# KiCad board CPU.kicad_pcb
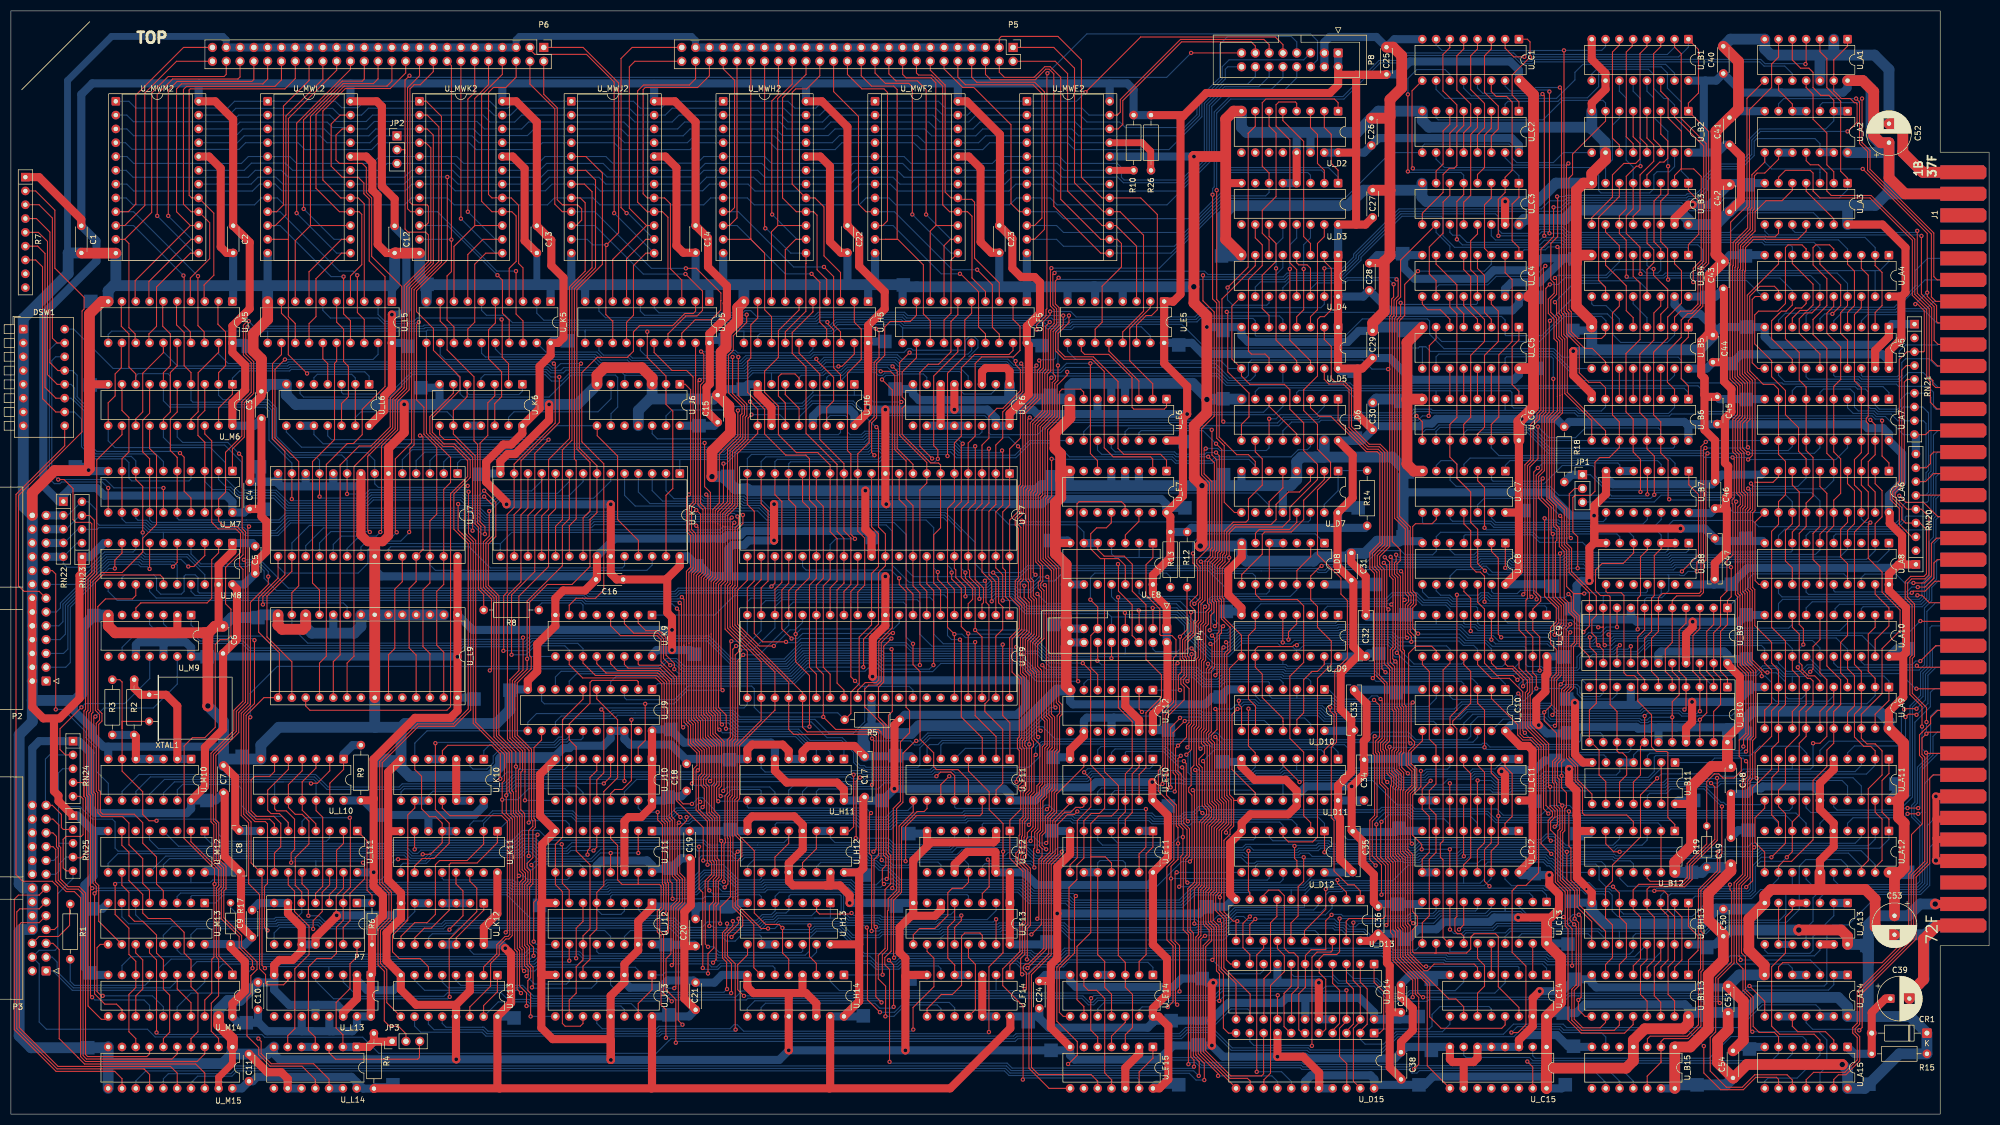
[diagram p0: board, top side]
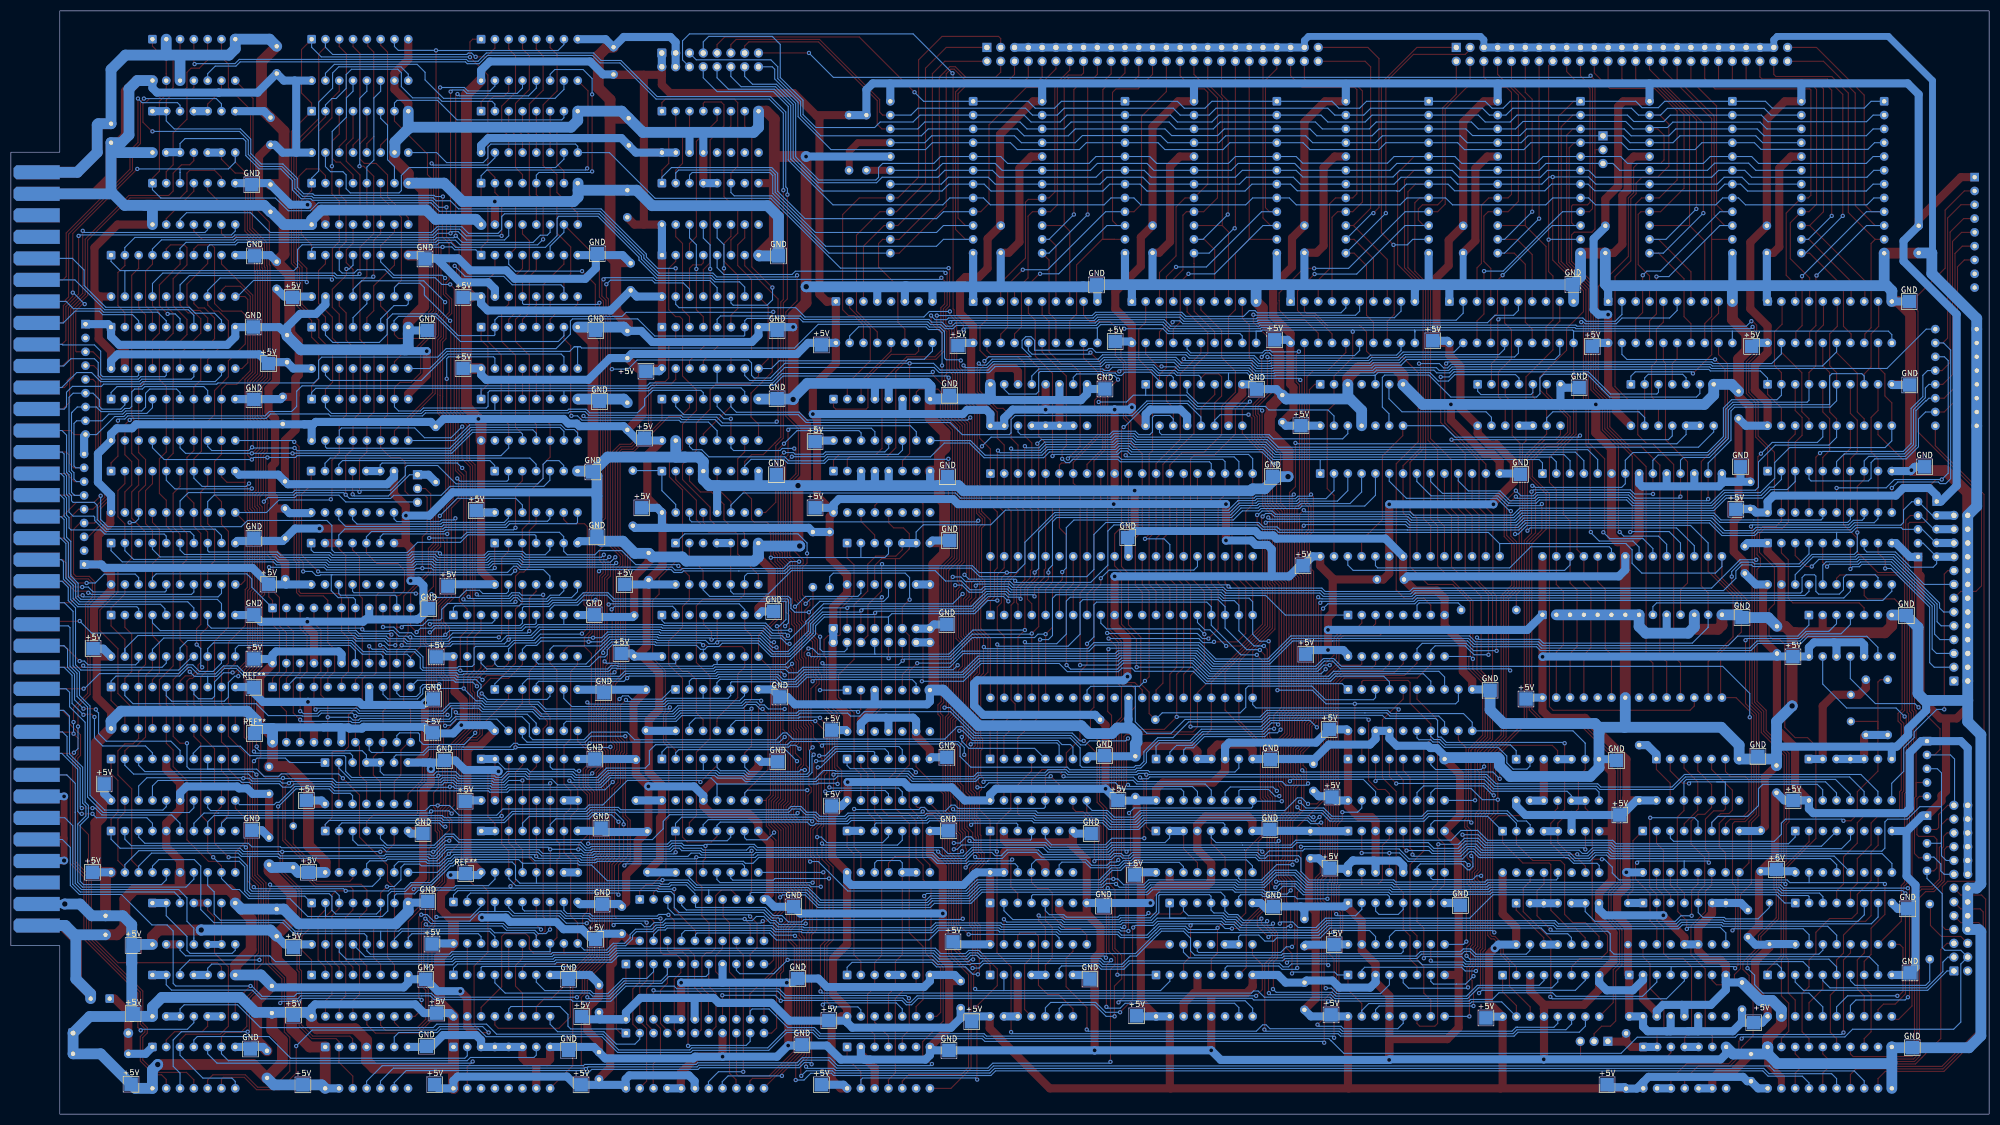
[diagram p1: board, bottom side, seen from below]

Outline 364 x 203 mm; copper layers: Top, In1.Cu (plane), In2.Cu (plane), Bottom. Coordinates in mm from the lower left corner of the outline.
Outline path: 355,177 364,177 364,31 355,31 355,0 0,0 0,203 355,203 closed
Stack: Top 0.035mm / dielectric 0.54mm FR4 er 4.5 / In1.Cu 0.035mm / dielectric 0.54mm FR4 er 4.5 / In2.Cu 0.035mm / dielectric 0.54mm FR4 er 4.5 / Bottom 0.035mm

## Placement (name value [footprint] x y rotation side)
+5V  -  [TestPoint_Pad_2.5x2.5mm]  309.25 44.5 180 bottom
+5V#2  -  [TestPoint_Pad_2.5x2.5mm]  256.42 32.18 180 bottom
+5V#3  -  [TestPoint_Pad_2.5x2.5mm]  258.96 17.96 180 bottom
+5V#4  -  [TestPoint_Pad_2.5x2.5mm]  156.85 18.09 180 bottom
+5V#5  -  [TestPoint_Pad_2.5x2.5mm]  259.08 5.38 180 bottom
+5V#6  -  [TestPoint_Pad_2.5x2.5mm]  283.59 97.16 180 bottom
+5V#7  -  [TestPoint_Pad_2.5x2.5mm]  278.39 111.05 180 bottom
+5V#8  -  [TestPoint_Pad_2.5x2.5mm]  214.89 141.53 180 bottom
+5V#9  -  [TestPoint_Pad_2.5x2.5mm]  312.04 18.21 180 bottom
+5V#10  -  [TestPoint_Pad_2.5x2.5mm]  341.89 5.51 180 bottom
+5V#11  -  [TestPoint_Pad_2.5x2.5mm]  247.91 111.56 180 bottom
+5V#12  -  [TestPoint_Pad_2.5x2.5mm]  36.07 57.71 180 bottom
+5V#13  -  [TestPoint_Pad_2.5x2.5mm]  349 44.5 180 bottom
+5V#14  -  [TestPoint_Pad_2.5x2.5mm]  348.87 85.65 180 bottom
+5V#15  -  [TestPoint_Pad_2.5x2.5mm]  43.31 16.81 180 bottom
+5V#16  -  [TestPoint_Pad_2.5x2.5mm]  285.75 84.12 180 bottom
+5V#17  -  [TestPoint_Pad_2.5x2.5mm]  251.08 97.46 180 bottom
+5V#18  -  [TestPoint_Pad_2.5x2.5mm]  73.03 141.28 180 bottom
+5V#19  -  [TestPoint_Pad_2.5x2.5mm]  212.98 56.69 180 bottom
+5V#20  -  [TestPoint_Pad_2.5x2.5mm]  309.63 57.71 180 bottom
+5V#21  -  [TestPoint_Pad_2.5x2.5mm]  213.49 17.2 180 bottom
+5V#22  -  [TestPoint_Pad_2.5x2.5mm]  190.65 31.7 180 bottom
+5V#23  -  [TestPoint_Pad_2.5x2.5mm]  85.22 76.38 180 bottom
+5V#24  -  [TestPoint_Pad_2.5x2.5mm]  160.81 142.16 180 bottom
+5V#25  -  [TestPoint_Pad_2.5x2.5mm]  214.89 5.41 180 bottom
+5V#26  -  [TestPoint_Pad_2.5x2.5mm]  286.01 5.41 180 bottom
+5V#27  -  [TestPoint_Pad_2.5x2.5mm]  67.95 55.04 180 bottom
+5V#28  -  [TestPoint_Pad_2.5x2.5mm]  92.59 17.7 180 bottom
+5V#29  -  [TestPoint_Pad_2.5x2.5mm]  310.26 5.38 180 bottom
+5V#30  -  [TestPoint_Pad_2.5x2.5mm]  312.04 30.66 180 bottom
+5V#31  -  [TestPoint_Pad_2.5x2.5mm]  160.3 57.71 180 bottom
+5V#32  -  [TestPoint_Pad_2.5x2.5mm]  70.3 5.4 180 bottom
+5V#33  -  [TestPoint_Pad_2.5x2.5mm]  247.4 124.38 180 bottom
+5V#34  -  [TestPoint_Pad_2.5x2.5mm]  36.1 84.15 180 bottom
+5V#35  -  [TestPoint_Pad_2.5x2.5mm]  43.69 141.28 180 bottom
+5V#36  -  [TestPoint_Pad_2.5x2.5mm]  125.73 84.63 180 bottom
+5V#37  -  [TestPoint_Pad_2.5x2.5mm]  121.29 45.26 180 bottom
+5V#38  -  [TestPoint_Pad_2.5x2.5mm]  341.51 31.04 180 bottom
+5V#39  -  [TestPoint_Pad_2.5x2.5mm]  251.72 84.76 180 bottom
+5V#40  -  [TestPoint_Pad_2.5x2.5mm]  319.28 83.74 180 bottom
+5V#41  -  [TestPoint_Pad_2.5x2.5mm]  120.91 58.34 180 bottom
+5V#42  -  [TestPoint_Pad_2.5x2.5mm]  121.41 70.79 180 bottom
+5V#43  -  [TestPoint_Pad_2.5x2.5mm]  280.42 57.58 180 bottom
+5V#44  -  [TestPoint_Pad_2.5x2.5mm]  131.45 142.47 180 bottom
+5V#45  -  [TestPoint_Pad_2.5x2.5mm]  102.36 142.29 180 bottom
+5V#46  -  [TestPoint_Pad_2.5x2.5mm]  247.14 136.7 180 bottom
+5V#47  -  [TestPoint_Pad_2.5x2.5mm]  346.84 60.76 180 bottom
+5V#48  -  [TestPoint_Pad_2.5x2.5mm]  280.8 137.21 180 bottom
+5V#49  -  [TestPoint_Pad_2.5x2.5mm]  316.61 138.1 180 bottom
+5V#50  -  [TestPoint_Pad_2.5x2.5mm]  286.4 70.15 180 bottom
+5V#51  -  [TestPoint_Pad_2.5x2.5mm]  157.23 43.99 180 bottom
+5V#52  -  [TestPoint_Pad_2.5x2.5mm]  39.12 45.01 180 bottom
+5V#53  -  [TestPoint_Pad_2.5x2.5mm]  316.56 97.51 180 bottom
+5V#54  -  [TestPoint_Pad_2.5x2.5mm]  121.08 18.26 180 bottom
+5V#55  -  [TestPoint_Pad_2.5x2.5mm]  46.6 111.3 180 bottom
+5V#56  -  [TestPoint_Pad_2.5x2.5mm]  216.03 111.56 180 bottom
+5V#57  -  [TestPoint_Pad_2.5x2.5mm]  126.24 100.89 180 bottom
+5V#58  -  [TestPoint_Pad_2.5x2.5mm]  285.63 18.59 180 bottom
+5V#59  -  [TestPoint_Pad_2.5x2.5mm]  280.8 150.29 180 bottom
+5V#60  -  [TestPoint_Pad_2.5x2.5mm]  126.62 126.67 180 bottom
+5V#61  -  [TestPoint_Pad_2.5x2.5mm]  216.03 123.75 180 bottom
+5V#62  -  [TestPoint_Pad_2.5x2.5mm]  212.98 70.66 180 bottom
+5V#63  -  [TestPoint_Pad_2.5x2.5mm]  187.2 17 180 bottom
+5V#64  -  [TestPoint_Pad_2.5x2.5mm]  286.51 31.29 180 bottom
+5V#65  -  [TestPoint_Pad_2.5x2.5mm]  341.51 18.47 180 bottom
+5V#66  -  [TestPoint_Pad_2.5x2.5mm]  312.17 150.29 180 bottom
+5V#67  -  [TestPoint_Pad_2.5x2.5mm]  120.53 31.17 180 bottom
+5V#68  -  [TestPoint_Pad_2.5x2.5mm]  189.74 141.4 180 bottom
C1  100nF  [C_Disc_D4.3mm_W1.9mm_P5.00mm]  12.96 163.46 270 top
C2  100nF  [C_Disc_D4.3mm_W1.9mm_P5.00mm]  40.9 163.46 270 top
C3  100nF  [C_Disc_D4.3mm_W1.9mm_P5.00mm]  46.1 127.99 90 top
C4  100nF  [C_Disc_D4.3mm_W1.9mm_P5.00mm]  43.95 111.35 90 top
C5  100nF  [C_Disc_D4.3mm_W1.9mm_P5.00mm]  44.96 99.49 90 top
C6  100nF  [C_Disc_D4.3mm_W1.9mm_P5.00mm]  39.04 84.76 90 top
C7  100nF  [C_Disc_D4.3mm_W1.9mm_P5.00mm]  39.12 59.15 90 top
C8  100nF  [C_Rect_L9.0mm_W2.5mm_P7.50mm_MKT]  42.04 44.69 90 top
C9  100nF  [C_Disc_D4.3mm_W1.9mm_P5.00mm]  44.38 32.55 90 top
C10  100nF  [C_Disc_D4.3mm_W1.9mm_P5.00mm]  45.47 19.23 90 top
C11  100nF  [C_Disc_D4.3mm_W1.9mm_P5.00mm]  43.82 6.06 90 top
C12  100nF  [C_Disc_D4.3mm_W1.9mm_P5.00mm]  70.62 163.45 270 top
C13  100nF  [C_Disc_D4.3mm_W1.9mm_P5.00mm]  96.78 163.46 270 top
C14  100nF  [C_Disc_D4.3mm_W1.9mm_P5.00mm]  125.99 163.5 270 top
C15  100nF  [C_Disc_D4.3mm_W1.9mm_P5.00mm]  130.05 127.31 90 top
C16  100nF  [C_Disc_D4.3mm_W1.9mm_P5.00mm]  112.65 98.37 180 top
C17  100nF  [C_Rect_L9.0mm_W2.5mm_P7.50mm_MKT]  157.1 58.34 90 top
C18  100nF  [C_Disc_D4.3mm_W1.9mm_P5.00mm]  124.34 59.46 90 top
C19  100nF  [C_Disc_D4.3mm_W1.9mm_P5.00mm]  124.89 47.07 90 top
C20  100nF  [C_Disc_D4.3mm_W1.9mm_P5.00mm]  125.99 30.91 90 top
C21  100nF  [C_Disc_D4.3mm_W1.9mm_P5.00mm]  125.99 19.2 90 top
C22  100nF  [C_Disc_D4.3mm_W1.9mm_P5.00mm]  153.93 163.5 270 top
C23  100nF  [C_Disc_D4.3mm_W1.9mm_P5.00mm]  181.87 163.5 270 top
C24  100nF  [C_Disc_D4.3mm_W1.9mm_P5.00mm]  189.23 19.48 90 top
C25  100nF  [C_Disc_D4.3mm_W1.9mm_P5.00mm]  253.11 191.31 90 top
C26  100nF  [C_Disc_D4.3mm_W1.9mm_P5.00mm]  250.32 178.25 90 top
C27  100nF  [C_Disc_D4.3mm_W1.9mm_P5.00mm]  250.57 165 90 top
C28  100nF  [C_Disc_D4.3mm_W1.9mm_P5.00mm]  249.96 151.56 90 top
C29  100nF  [C_Disc_D4.3mm_W1.9mm_P5.00mm]  250.57 139.12 90 top
C30  100nF  [C_Disc_D4.3mm_W1.9mm_P5.00mm]  250.57 125.91 90 top
C31  100nF  [C_Disc_D4.3mm_W1.9mm_P5.00mm]  246.66 98.26 90 top
C32  100nF  [C_Rect_L9.0mm_W2.5mm_P7.50mm_MKT]  249.3 84.25 90 top
C33  100nF  [C_Rect_L9.0mm_W2.5mm_P7.50mm_MKT]  247.14 70.6 90 top
C34  100nF  [C_Rect_L9.0mm_W2.5mm_P7.50mm_MKT]  249 57.71 90 top
C35  100nF  [C_Rect_L9.0mm_W2.5mm_P7.50mm_MKT]  246.89 44.54 90 top
C36  100nF  [C_Disc_D4.3mm_W1.9mm_P5.00mm]  251.59 33.2 90 top
C37  100nF  [C_Disc_D4.3mm_W1.9mm_P5.00mm]  255.78 18.72 90 top
C38  100nF  [C_Disc_D4.3mm_W1.9mm_P5.00mm]  255.78 6.4 90 top
C39  470uF  [CP_Radial_D8.0mm_P3.50mm]  345.82 21.26 0 top
C40  100nF  [C_Disc_D4.3mm_W1.9mm_P5.00mm]  315.09 191.48 90 top
C41  100nF  [C_Disc_D4.3mm_W1.9mm_P5.00mm]  316.23 178.36 90 top
C42  100nF  [C_Disc_D4.3mm_W1.9mm_P5.00mm]  316.23 166.04 90 top
C43  100nF  [C_Disc_D4.3mm_W1.9mm_P5.00mm]  315.09 151.86 90 top
C44  100nF  [C_Disc_D4.3mm_W1.9mm_P5.00mm]  313.19 138.35 90 top
C45  100nF  [C_Disc_D4.3mm_W1.9mm_P5.00mm]  313.97 126.97 90 top
C46  100nF  [C_Disc_D4.3mm_W1.9mm_P5.00mm]  313.57 111.43 90 top
C47  100nF  [C_Rect_L9.0mm_W2.5mm_P7.50mm_MKT]  313.52 98.43 90 top
C48  100nF  [C_Disc_D4.3mm_W1.9mm_P5.00mm]  316.49 63.93 270 top
C49  100nF  [C_Disc_D4.3mm_W1.9mm_P5.00mm]  316.49 45.9 90 top
C50  100nF  [C_Disc_D4.3mm_W1.9mm_P5.00mm]  315.09 32.73 90 top
C51  100nF  [C_Disc_D4.3mm_W1.9mm_P5.00mm]  315.98 18.59 90 top
C52  1000uF  [CP_Radial_D8.0mm_P3.50mm]  345.57 178.74 90 top
C53  1000uF  [CP_Radial_D8.0mm_P3.50mm]  346.59 36.5 270 top
C54  100nF  [C_Disc_D4.3mm_W1.9mm_P5.00mm]  316.87 6.66 90 top
CR1  D  [D_A-405_P10.16mm_Horizontal]  352.56 14.91 180 top
DSW1  SW_DIP_x08  [SW_DIP_SPSTx08_Piano_10.8x21.88mm_W7.62mm_P2.54mm]  2.29 144.44 0 top
GND  -  [TestPoint_Pad_2.5x2.5mm]  255.2 38.63 180 bottom
GND#2  -  [TestPoint_Pad_2.5x2.5mm]  14.56 25.98 180 bottom
GND#3  -  [TestPoint_Pad_2.5x2.5mm]  162.79 65.96 180 bottom
GND#4  -  [TestPoint_Pad_2.5x2.5mm]  97.28 38.41 180 bottom
GND#5  -  [TestPoint_Pad_2.5x2.5mm]  45.47 91.36 180 bottom
GND#6  -  [TestPoint_Pad_2.5x2.5mm]  319.66 170.99 180 bottom
GND#7  -  [TestPoint_Pad_2.5x2.5mm]  222.51 76.76 180 bottom
GND#8  -  [TestPoint_Pad_2.5x2.5mm]  14.61 134.16 180 bottom
GND#9  -  [TestPoint_Pad_2.5x2.5mm]  191.65 117.27 180 bottom
GND#10  -  [TestPoint_Pad_2.5x2.5mm]  68.58 65.07 180 bottom
GND#11  -  [TestPoint_Pad_2.5x2.5mm]  223.65 92.51 180 bottom
GND#12  -  [TestPoint_Pad_2.5x2.5mm]  256.37 144.2 180 bottom
GND#13  -  [TestPoint_Pad_2.5x2.5mm]  256.11 158.32 180 bottom
GND#14  -  [TestPoint_Pad_2.5x2.5mm]  131.7 38.15 180 bottom
GND#15  -  [TestPoint_Pad_2.5x2.5mm]  164.21 152.58 180 bottom
GND#16  -  [TestPoint_Pad_2.5x2.5mm]  218.44 12.75 180 bottom
GND#17  -  [TestPoint_Pad_2.5x2.5mm]  191.26 132.26 180 bottom
GND#18  -  [TestPoint_Pad_2.5x2.5mm]  255.4 52.63 180 bottom
GND#19  -  [TestPoint_Pad_2.5x2.5mm]  131.85 117.35 180 bottom
GND#20  -  [TestPoint_Pad_2.5x2.5mm]  223.01 131.62 180 bottom
GND#21  -  [TestPoint_Pad_2.5x2.5mm]  75.44 133.66 180 bottom
GND#22  -  [TestPoint_Pad_2.5x2.5mm]  319.41 144.83 180 bottom
GND#23  -  [TestPoint_Pad_2.5x2.5mm]  287.1 92.99 180 bottom
GND#24  -  [TestPoint_Pad_2.5x2.5mm]  76.58 152.68 180 bottom
GND#25  -  [TestPoint_Pad_2.5x2.5mm]  287.66 24.82 180 bottom
GND#26  -  [TestPoint_Pad_2.5x2.5mm]  319.92 11.99 180 bottom
GND#27  -  [TestPoint_Pad_2.5x2.5mm]  134.75 133.4 180 bottom
GND#28  -  [TestPoint_Pad_2.5x2.5mm]  14.99 37.77 180 bottom
GND#29  -  [TestPoint_Pad_2.5x2.5mm]  191.26 105.54 180 bottom
GND#30  -  [TestPoint_Pad_2.5x2.5mm]  42.55 65.84 180 bottom
GND#31  -  [TestPoint_Pad_2.5x2.5mm]  319.66 52.25 180 bottom
GND#32  -  [TestPoint_Pad_2.5x2.5mm]  14.15 12.22 180 bottom
GND#33  -  [TestPoint_Pad_2.5x2.5mm]  191.39 11.74 180 bottom
GND#34  -  [TestPoint_Pad_2.5x2.5mm]  162.69 133.43 180 bottom
GND#35  -  [TestPoint_Pad_2.5x2.5mm]  191.77 90.09 180 bottom
GND#36  -  [TestPoint_Pad_2.5x2.5mm]  288.17 51.61 180 bottom
GND#37  -  [TestPoint_Pad_2.5x2.5mm]  223.01 144.2 180 bottom
GND#38  -  [TestPoint_Pad_2.5x2.5mm]  319.28 91.87 180 bottom
GND#39  -  [TestPoint_Pad_2.5x2.5mm]  191.52 52.12 180 bottom
GND#40  -  [TestPoint_Pad_2.5x2.5mm]  132.21 65.2 180 bottom
GND#41  -  [TestPoint_Pad_2.5x2.5mm]  14.71 149.53 180 bottom
GND#42  -  [TestPoint_Pad_2.5x2.5mm]  223.14 117.65 180 bottom
GND#43  -  [TestPoint_Pad_2.5x2.5mm]  319.15 157.91 180 bottom
GND#44  -  [TestPoint_Pad_2.5x2.5mm]  132.34 52.38 180 bottom
GND#45  -  [TestPoint_Pad_2.5x2.5mm]  261.37 11.74 180 bottom
GND#46  -  [TestPoint_Pad_2.5x2.5mm]  319.28 105.97 180 bottom
GND#47  -  [TestPoint_Pad_2.5x2.5mm]  15.24 91.75 180 bottom
GND#48  -  [TestPoint_Pad_2.5x2.5mm]  45.75 119.1 180 bottom
GND#49  -  [TestPoint_Pad_2.5x2.5mm]  191.77 65.66 180 bottom
GND#50  -  [TestPoint_Pad_2.5x2.5mm]  222.76 157.91 180 bottom
GND#51  -  [TestPoint_Pad_2.5x2.5mm]  219.97 38.15 180 bottom
GND#52  -  [TestPoint_Pad_2.5x2.5mm]  287.53 12.5 180 bottom
GND#53  -  [TestPoint_Pad_2.5x2.5mm]  255.7 131.14 180 bottom
GND#54  -  [TestPoint_Pad_2.5x2.5mm]  222.89 64.82 180 bottom
GND#55  -  [TestPoint_Pad_2.5x2.5mm]  165.23 51.61 180 bottom
GND#56  -  [TestPoint_Pad_2.5x2.5mm]  86.24 117.73 180 bottom
GND#57  -  [TestPoint_Pad_2.5x2.5mm]  91.82 78 180 bottom
GND#58  -  [TestPoint_Pad_2.5x2.5mm]  254.89 77.52 180 bottom
GND#59  -  [TestPoint_Pad_2.5x2.5mm]  287.28 39.17 180 bottom
GND#60  -  [TestPoint_Pad_2.5x2.5mm]  256.16 106.22 180 bottom
GND#61  -  [TestPoint_Pad_2.5x2.5mm]  256.92 118.16 180 bottom
GND#62  -  [TestPoint_Pad_2.5x2.5mm]  162.94 38.28 180 bottom
GND#63  -  [TestPoint_Pad_2.5x2.5mm]  286.26 76.38 180 bottom
GND#64  -  [TestPoint_Pad_2.5x2.5mm]  165.45 24.85 180 bottom
GND#65  -  [TestPoint_Pad_2.5x2.5mm]  287.8 157.35 180 bottom
GND#66  -  [TestPoint_Pad_2.5x2.5mm]  256.67 91.87 180 bottom
GND#67  -  [TestPoint_Pad_2.5x2.5mm]  219.21 24.94 180 bottom
GND#68  -  [TestPoint_Pad_2.5x2.5mm]  261.37 24.82 180 bottom
GND#69  -  [TestPoint_Pad_2.5x2.5mm]  11.86 119.1 180 bottom
GND#70  -  [TestPoint_Pad_2.5x2.5mm]  256.54 65.33 180 bottom
GND#71  -  [TestPoint_Pad_2.5x2.5mm]  287.4 144.2 180 bottom
GND#72  -  [TestPoint_Pad_2.5x2.5mm]  284.23 65.07 180 bottom
GND#73  -  [TestPoint_Pad_2.5x2.5mm]  158.5 106.1 180 bottom
GND#74  -  [TestPoint_Pad_2.5x2.5mm]  319.28 131.5 180 bottom
J1  Conn_02x36_Top_Bottom  [BUS_EE200]  355 177 90 top
JP1  Jumper_3_Open  [PinHeader_1x03_P2.54mm_Vertical]  289.18 117.65 0 top
JP2  ROM type select  [PinHeader_1x03_P2.54mm_Vertical]  71.05 180 0 top
JP3  ROM type select  [PinHeader_1x03_P2.54mm_Vertical]  70.15 13.4 90 top
P2  Conn_02x13_Top_Bottom  [IDC-Header_2x13_P2.54mm_Horizontal]  6.48 79.69 180 top
P3  Conn_02x13_Top_Bottom  [IDC-Header_2x13_P2.54mm_Horizontal]  6.48 26.35 180 top
P4  IDC-16  [IDC-Header_2x08_P2.54mm_Vertical]  212.68 89.33 270 top
P5  Conn_02x25_Counter_Clockwise  [PinHeader_2x25_P2.54mm_Vertical]  184.41 196.27 270 top
P6  Conn_02x25_Counter_Clockwise  [PinHeader_2x25_P2.54mm_Vertical]  98.05 196.27 270 top
P7  Conn_02x07_Counter_Clockwise  [DIP-14_W7.62mm_Socket]  63.69 38.85 270 top
P8  Conn_02x08_Odd_Even  [IDC-Header_2x08_P2.54mm_Vertical]  244.22 195.25 270 top
R1  330  [R_Axial_DIN0207_L6.3mm_D2.5mm_P10.16mm_Horizontal]  10.92 38.66 270 top
R2  330  [R_Axial_DIN0207_L6.3mm_D2.5mm_P10.16mm_Horizontal]  22.69 69.77 90 top
R3  330  [R_Axial_DIN0207_L6.3mm_D2.5mm_P10.16mm_Horizontal]  18.67 79.93 270 top
R4  1k  [R_Axial_DIN0207_L6.3mm_D2.5mm_P10.16mm_Horizontal]  66.8 4.7 90 top
R5  470  [R_Axial_DIN0207_L6.3mm_D2.5mm_P10.16mm_Horizontal]  163.58 72.57 180 top
R6  1k  [R_Axial_DIN0204_L3.6mm_D1.6mm_P7.62mm_Horizontal]  66.45 31.2 90 top
R7  4.7K  [R_Array_SIP9]  2.67 172.41 270 top
R8  47  [R_Axial_DIN0207_L6.3mm_D2.5mm_P10.16mm_Horizontal]  97.16 92.76 180 top
R9  1k  [R_Axial_DIN0207_L6.3mm_D2.5mm_P10.16mm_Horizontal]  64.39 67.89 270 top
R10  1k  [R_Axial_DIN0207_L6.3mm_D2.5mm_P10.16mm_Horizontal]  206.58 183.82 270 top
R12  4.7k  [R_Axial_DIN0207_L6.3mm_D2.5mm_P10.16mm_Horizontal]  216.44 107.11 270 top
R13  4.7k  [R_Axial_DIN0207_L6.3mm_D2.5mm_P10.16mm_Horizontal]  213.34 107.11 270 top
R14  1k  [R_Axial_DIN0207_L6.3mm_D2.5mm_P10.16mm_Horizontal]  249.56 118.42 270 top
R15  10k  [R_Axial_DIN0207_L6.3mm_D2.5mm_P10.16mm_Horizontal]  352.56 11.1 180 top
R17  1k  [R_Axial_DIN0204_L3.6mm_D1.6mm_P7.62mm_Horizontal]  40.41 38.89 270 top
R18  4.7k  [R_Axial_DIN0207_L6.3mm_D2.5mm_P10.16mm_Horizontal]  285.83 126.47 270 top
R19  4.7k  [R_Axial_DIN0204_L3.6mm_D1.6mm_P7.62mm_Horizontal]  312.04 45.39 90 top
R26  1K  [R_Axial_DIN0207_L6.3mm_D2.5mm_P10.16mm_Horizontal]  209.78 183.82 270 top  (not fitted)
REF**  -  [TestPoint_Pad_2.5x2.5mm]  319.15 70.03 180 bottom
REF**#2  -  [TestPoint_Pad_2.5x2.5mm]  319.28 78.54 180 bottom
REF**#3  -  [TestPoint_Pad_2.5x2.5mm]  280.29 44.25 180 bottom
RN20  220  [R_Array_SIP9]  350.52 101.14 90 top
RN21  330  [R_Array_SIP9]  350.27 145.35 270 top
RN22  220  [R_Array_SIP5]  9.66 112.72 270 top
RN23  330  [R_Array_SIP5]  13.08 102.52 90 top
RN24  220  [R_Array_SIP5]  11.43 68.63 270 top
RN25  330  [R_Array_SIP5]  11.43 54.91 270 top
U_A1  74LS74  [DIP-14_W7.62mm]  337.95 197.79 270 top
U_A2  74LS38  [DIP-14_W7.62mm]  337.95 184.55 270 top
U_A3  74LS04  [DIP-14_W7.62mm]  337.95 171.3 270 top
U_A4  74LS244  [DIP-20_W7.62mm]  345.56 158.06 270 top
U_A5  74LS240  [DIP-20_W7.62mm]  345.56 144.81 270 top
U_A6  74LS244  [DIP-20_W7.62mm]  345.56 118.32 270 top
U_A7  74LS240  [DIP-20_W7.62mm]  345.56 131.56 270 top
U_A8  74LS240  [DIP-20_W7.62mm]  345.56 105.08 270 top
U_A9  74LS244  [DIP-20_W7.62mm]  345.56 78.59 270 top
U_A10  74LS240  [DIP-20_W7.62mm]  345.56 91.83 270 top
U_A11  AM2907  [DIP-20_W7.62mm]  345.56 65.34 270 top
U_A12  AM2907  [DIP-20_W7.62mm]  345.56 52.09 270 top
U_A13  74LS37  [DIP-14_W7.62mm]  337.95 38.85 270 top
U_A14  74LS38  [DIP-14_W7.62mm]  337.95 25.6 270 top
U_A15  74LS04  [DIP-14_W7.62mm]  337.95 12.36 270 top
U_B1  74LS669  [DIP-16_W7.62mm]  308.66 197.79 270 top
U_B2  74LS669  [DIP-16_W7.62mm]  308.66 184.55 270 top
U_B3  74LS157  [DIP-16_W7.62mm]  308.66 171.3 270 top
U_B4  74LS157  [DIP-16_W7.62mm]  308.66 158.06 270 top
U_B5  74LS669  [DIP-16_W7.62mm]  308.66 144.81 270 top
U_B6  74LS669  [DIP-16_W7.62mm]  308.66 131.56 270 top
U_B7  74LS30  [DIP-14_W7.62mm]  308.75 118.32 270 top
U_B8  74LS30  [DIP-14_W7.62mm]  308.75 105.08 270 top
U_B9  AM93L422  [DIP-22_W10.16mm_Socket]  315.85 93.14 270 top
U_B10  AM93L422  [DIP-22_W10.16mm_Socket]  315.85 78.59 270 top
U_B11  74LS10  [DIP-14_W7.62mm]  306.2 64.69 270 top
U_B12  74LS00  [DIP-14_W7.62mm]  306.16 52.09 270 top
U_B15  74LS74  [DIP-14_W7.62mm]  306.16 12.36 270 top
U_BH13  93427C  [DIP-16_W7.62mm]  308.66 38.85 270 top
U_BL13  93427C  [DIP-16_W7.62mm]  308.66 25.6 270 top
U_C1  74LS669  [DIP-16_W7.62mm]  277.48 197.79 270 top
U_C2  74LS669  [DIP-16_W7.62mm]  277.48 184.55 270 top
U_C3  74LS157  [DIP-16_W7.62mm]  277.48 171.3 270 top
U_C4  74LS157  [DIP-16_W7.62mm]  277.48 158.06 270 top
U_C5  74LS669  [DIP-16_W7.62mm]  277.48 144.81 270 top
U_C6  74LS669  [DIP-16_W7.62mm]  277.48 131.56 270 top
U_C7  74LS02  [DIP-14_W7.62mm]  274.98 118.32 270 top
U_C8  74LS04  [DIP-14_W7.62mm]  274.98 105.08 270 top
U_C9  74LS377  [DIP-20_W7.62mm]  282.58 91.83 270 top
U_C10  74LS04  [DIP-14_W7.62mm]  274.96 78.15 270 top
U_C11  74LS173  [DIP-16_W7.62mm]  277.46 65.34 270 top
U_C12  74LS173  [DIP-16_W7.62mm]  277.46 52.09 270 top
U_C13  74LS377  [DIP-20_W7.62mm]  282.57 39.03 270 top
U_C14  74LS157  [DIP-16_W7.62mm]  282.56 25.6 270 top
U_C15  74LS669  [DIP-16_W7.62mm]  282.56 12.36 270 top
U_D2  74LS139  [DIP-16_W7.62mm]  244.21 184.55 270 top
U_D3  74LS138  [DIP-16_W7.62mm]  244.21 171.3 270 top
U_D4  74LS174  [DIP-16_W7.62mm]  244.21 158.06 270 top
U_D5  74LS174  [DIP-16_W7.62mm]  244.21 144.81 270 top
U_D6  74LS157  [DIP-16_W7.62mm]  244.21 131.56 270 top
U_D7  SN74120  [DIP-16_W7.62mm]  244.21 118.32 270 top
U_D8  74LS20  [DIP-14_W7.62mm]  241.71 105.08 270 top
U_D9  74LS379  [DIP-16_W7.62mm]  244.21 91.83 270 top
U_D10  74LS02  [DIP-14_W7.62mm]  241.71 78.15 270 top
U_D11  74LS379  [DIP-16_W7.62mm]  244.21 65.34 270 top
U_D12  74LS00  [DIP-14_W7.62mm]  241.71 52.09 270 top
U_D13  74LS374  [DIP-20_W7.62mm]  248.29 39.5 270 top
U_D14  AM93L422  [DIP-22_W10.16mm]  250.83 27.61 270 top
U_D15  AM93L422  [DIP-22_W10.16mm]  250.83 14.91 270 top
U_E5  74LS174  [DIP-16_W7.62mm]  212.21 149.53 270 top
U_E6  74LS138  [DIP-16_W7.62mm]  212.64 131.56 270 top
U_E7  74LS138  [DIP-16_W7.62mm]  212.64 118.32 270 top
U_E8  74LS02  [DIP-14_W7.62mm]  210.14 105.08 270 top
U_E10  74LS10  [DIP-14_W7.62mm]  210.14 65.34 270 top
U_E11  74LS10  [DIP-14_W7.62mm]  210.14 52.09 270 top
U_E12  74LS04  [DIP-14_W7.62mm]  210.14 78.02 270 top
U_E14  74LS04  [DIP-14_W7.62mm]  210.14 25.6 270 top
U_E15  74LS74  [DIP-14_W7.62mm]  210.14 12.36 270 top
U_F5  74LS377  [DIP-20_W7.62mm]  186.94 149.52 270 top
U_F6  74LS153  [DIP-16_W7.62mm]  183.77 134.28 270 top
U_F7  AM2901  [DIP-40_W15.24mm_Socket]  183.77 117.87 270 top
U_F9  AM2901  [DIP-40_W15.24mm_Socket]  183.77 91.83 270 top
U_F11  74LS259  [DIP-16_W7.62mm]  183.82 65.34 270 top
U_F12  74LS74  [DIP-14_W7.62mm]  183.82 52.09 270 top
U_F13  74LS174  [DIP-16_W7.62mm]  183.82 38.85 270 top
U_F14  74LS00  [DIP-14_W7.62mm]  183.82 25.6 270 top
U_H5  74LS377  [DIP-20_W7.62mm]  157.73 149.52 270 top
U_H6  74LS253  [DIP-16_W7.62mm]  155.19 134.28 270 top
U_H11  74LS138  [DIP-16_W7.62mm]  153.29 65.34 270 top
U_H12  SN74120  [DIP-16_W7.62mm]  153.33 52.09 270 top
U_H13  74LS20  [DIP-14_W7.62mm]  150.79 38.85 270 top
U_H14  74LS368  [DIP-16_W7.62mm]  153.29 25.6 270 top
U_J5  74LS377  [DIP-20_W7.62mm]  128.52 149.52 270 top
U_J6  74LS04  [DIP-14_W7.62mm]  123.08 134.29 270 top
U_J7  AM2909  [DIP-28_W15.24mm_Socket]  82.19 117.87 270 top
U_J9  74LS377  [DIP-20_W7.62mm]  117.97 78.15 270 top
U_J10  74LS151  [DIP-16_W7.62mm]  117.97 65.34 270 top
U_J11  74LS151  [DIP-16_W7.62mm]  117.97 52.09 270 top
U_J12  74LS153  [DIP-16_W7.62mm]  117.97 38.85 270 top
U_J13  74LS153  [DIP-16_W7.62mm]  117.97 25.6 270 top
U_K5  74LS377  [DIP-20_W7.62mm]  99.31 149.52 270 top
U_K6  74LS00  [DIP-14_W7.62mm]  94.11 134.29 270 top
U_K7  AM2909  [DIP-28_W15.24mm_Socket]  123.08 117.87 270 top
U_K9  74LS151  [DIP-16_W7.62mm]  117.97 91.83 270 top
U_K10  74LS00  [DIP-14_W7.62mm]  87.02 65.3 270 top
U_K11  74LS138  [DIP-16_W7.62mm]  89.52 52.06 270 top
U_K12  74LS02  [DIP-14_W7.62mm]  87.02 38.81 270 top
U_K13  74LS153  [DIP-16_W7.62mm]  89.52 25.57 270 top
U_L5  74LS377  [DIP-20_W7.62mm]  70.1 149.52 270 top